# Altium PCB TCM.PcbDoc (part 8 of 10)
Units mm, origin at the board's own origin, x right, y up, seen from the top; angles counter-clockwise.
Board outline 280.25 x 366.95 mm, 6 copper layers (Top, L2, L3, L4, L5, Bot), stack 1.536 mm thick; 503 components, 762 nets, 3201 pads, 1645 vias.
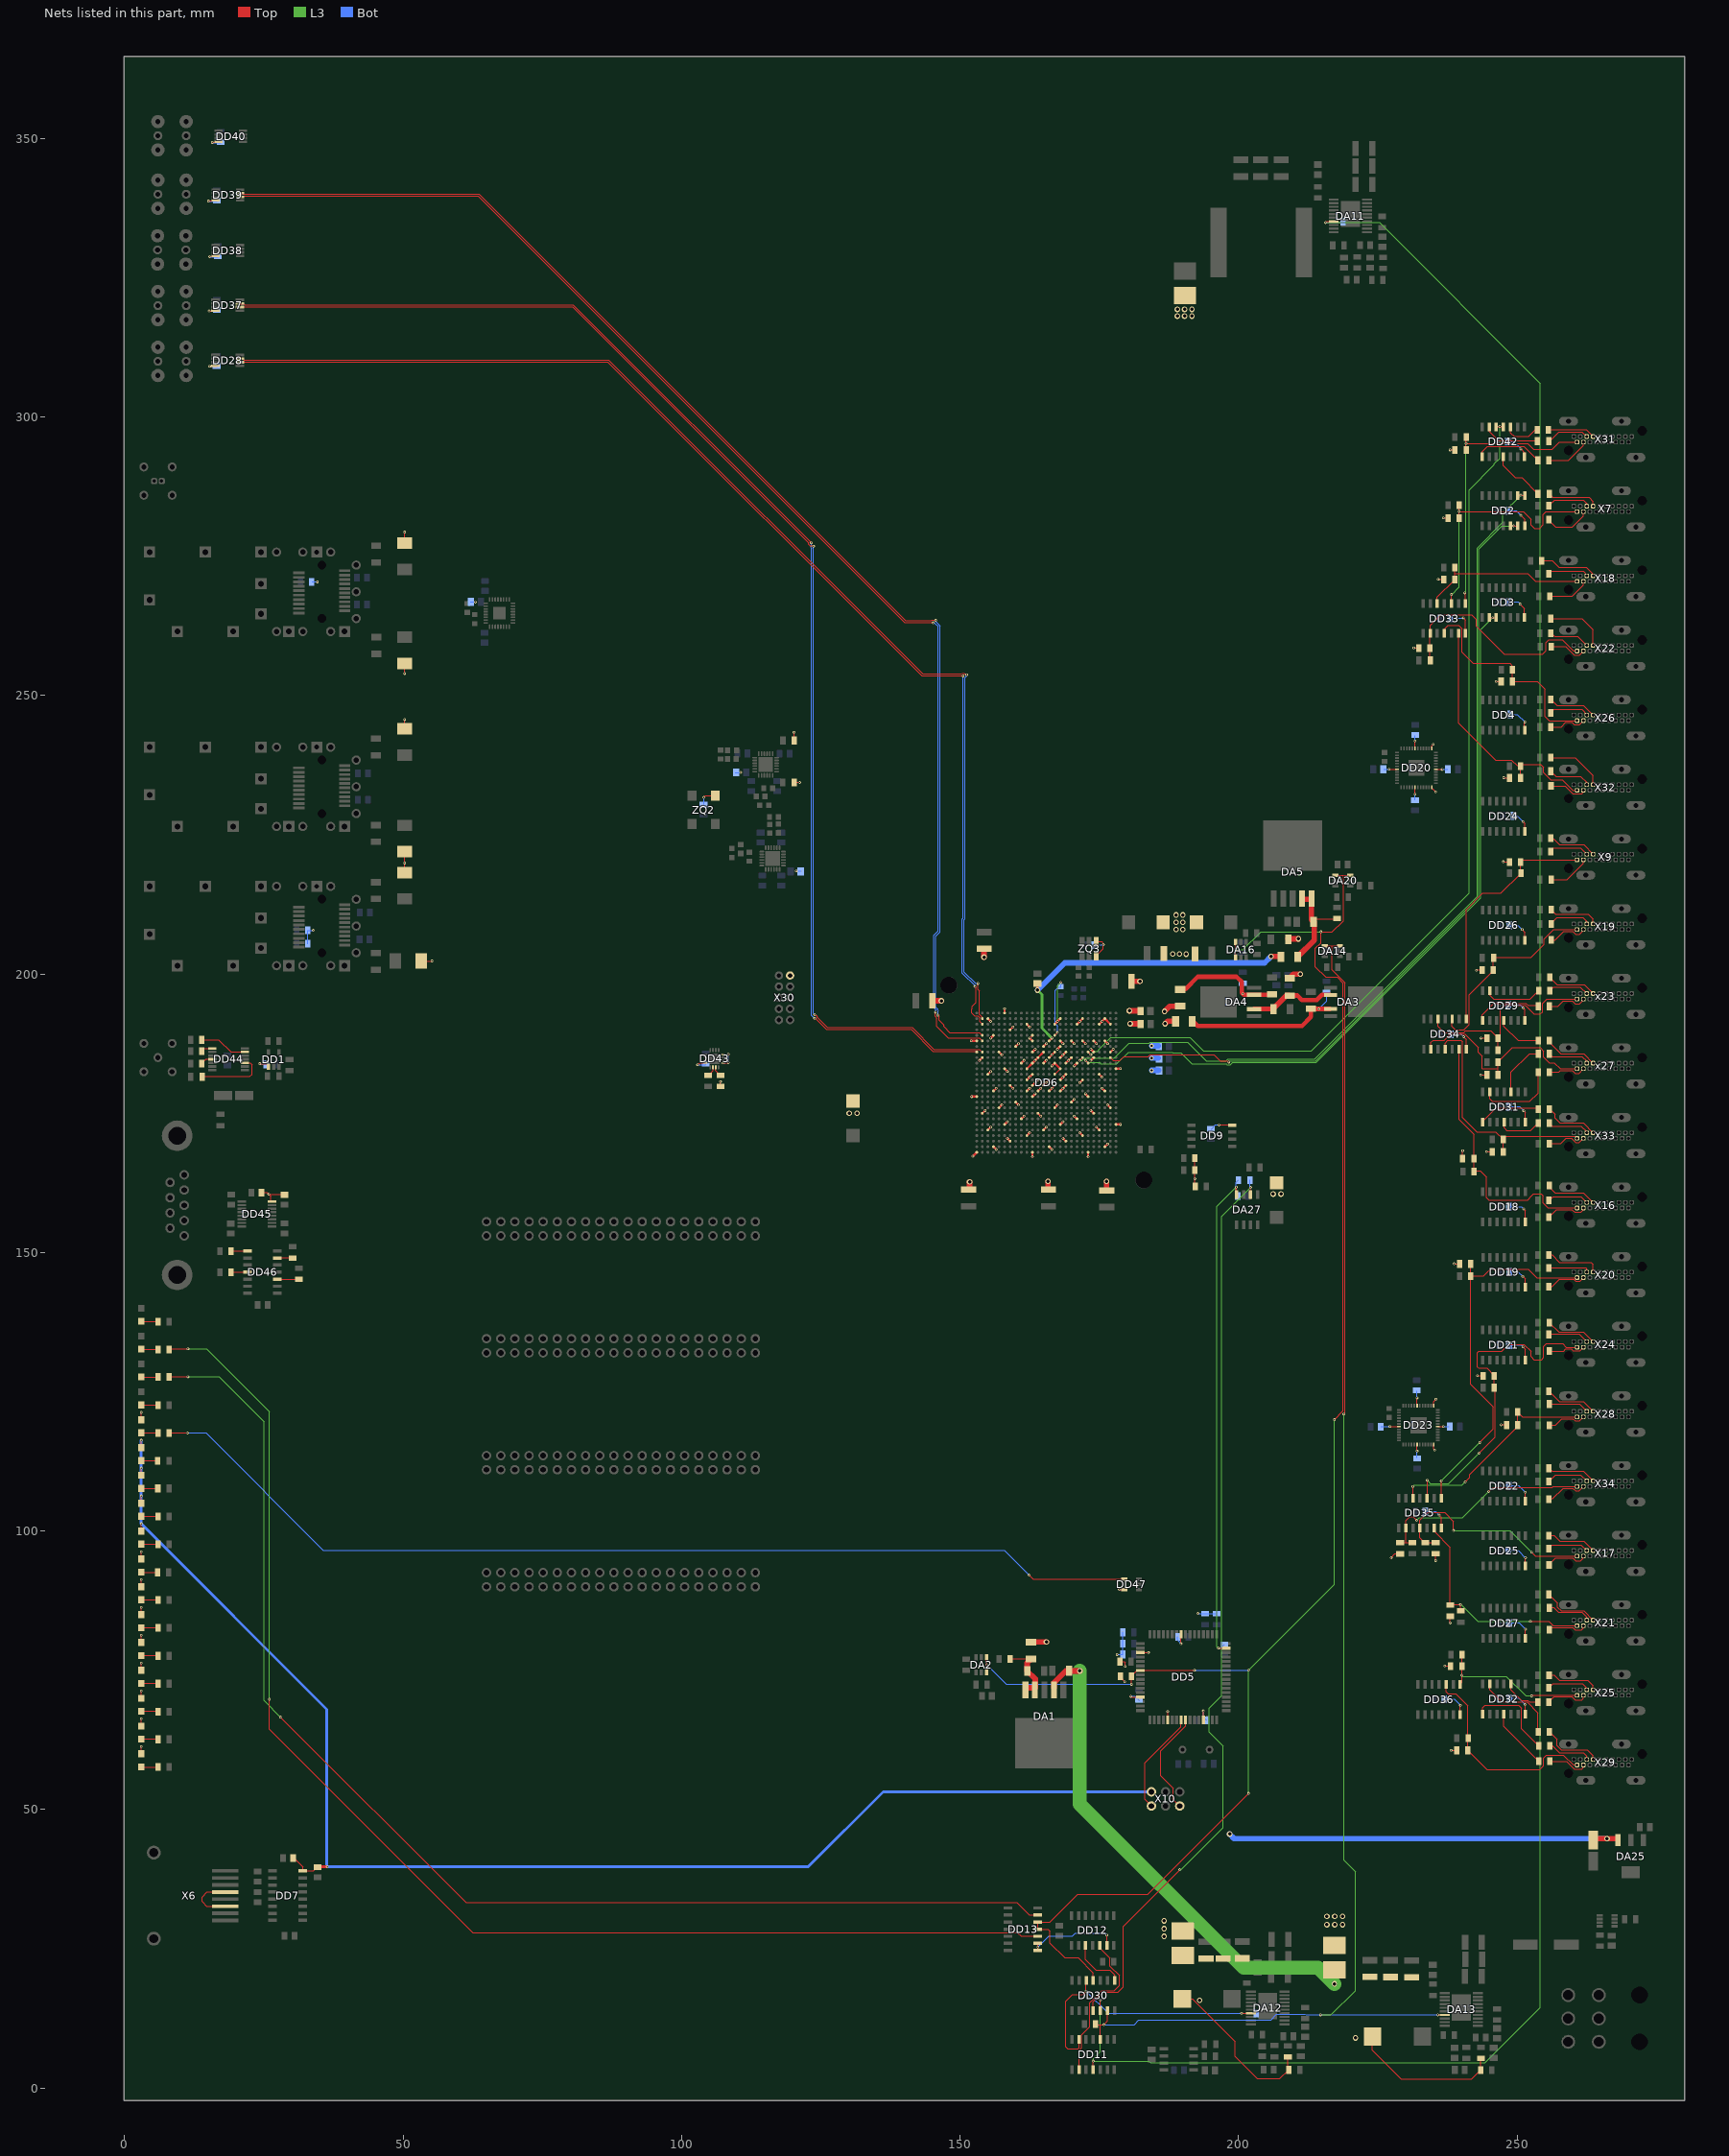
[diagram p12: the nets of this part, all layers, seen from the top]

## Via types
v1: diameter 0.48, hole 0.25, Top to Bot, tented both sides, 1515 vias
v2: diameter 1, hole 0.6, Top to Bot, tented both sides, 117 vias
v3: diameter 0.8, hole 0.4, Top to Bot, tented both sides, 8 vias
v4: diameter 5, hole 2.7, Top to Bot, tented both sides, 4 vias
v5: diameter 0.48/0/0/0/0/0.48 (per signal layer), hole 0.25, Top to Bot, tented both sides, 1 vias

## Nets (pads, with @x,y where several pads share a name; then routed paths per layer and width w, separated by ;. In a path a pad name is that pad's centre, name@x,y a point inside that pad or via, vN(x,y) a via of type N, cw(c..) or ccw(c..) an arc to the next point about the centre after c; other vN are vias at no path point) (continued)
NetDD29_6: DD29.6 R117.2 | length 10.6
  Top w0.15: DD29.6@245.134,197.076 245.134,196.181 245.845,195.469 252.333,195.469 R117.2@253.884,197.02
NetDD29_8: DD29.8 R119.2 | length 12.3
  Top w0.15: DD29.8@243.764,191.576 243.764,192.699 245.815,194.749 251.624,194.749 252.015,194.359 253.832,194.359 R119.2@253.832,194.227
NetDD29_11: DD29.11 R121.2 | length 8.2
  Top w0.15: DD29.11@247.627,191.576 247.627,190.631 250.194,188.064 R121.2@253.779,188.064
NetDD31_3: DD31.3 R123.2 | length 9.7
  Top w0.15: DD31.3@248.935,178.9 248.935,182.388 252.229,185.682 R123.2@253.794,185.682
NetDD31_6: DD31.6 R125.2 | length 14.5
  Top w0.15: DD31.6@245.125,178.9 245.125,177.594 245.576,177.142 252.274,177.142 253.794,178.662 R125.2@253.794,182.389
NetDD31_8: DD31.8 R195.2 | length 11.2
  Top w0.15: DD31.8@243.855,173.4 243.855,173.551 246.215,175.911 253.831,175.911 R195.2@253.831,175.814
NetDD31_11: DD31.11 R8.2 | length 7.9
  Top w0.15: DD31.11@247.665,173.4 247.665,172.409 248.137,171.936 252.478,171.936 R8.2@253.799,173.257
NetDD32_3: DD32.3 R120.2 | length 6.8
  Top w0.15: DD32.3@248.924,72.592 248.924,71.478 250.796,69.607 251.969,69.607 252.269,69.307 R120.2@253.726,69.307
NetDD32_6: DD32.6 R122.2 | length 14.9
  Top w0.15: DD32.6@245.114,72.592 245.114,71.495 247.302,69.307 251.845,69.307 253.768,67.383 R122.2@253.768,63.978
NetDD32_8: DD32.8 R124.2 | length 16.5
  Top w0.15: DD32.8@243.844,67.092 243.844,68.268 244.272,68.696 250.332,68.696 250.811,68.217 250.811,64.516 R124.2@253.84,61.487
NetDD32_11: DD32.11 R126.2 | length 11
  Top w0.15: DD32.11@247.654,67.092 247.654,64.895 R126.2@253.888,58.661
NetDD33_1: DD33.1 R128.2 R203.1 X31.18 | length 52.9
  Top w0.15: v1(240.589,268.438) 240.757,268.27 DD33.1@240.757,266.605 ; R203.1@240.855,294.094 v1(240.855,295.242) ; 240.865,295.567 240.865,296.407 240.855,296.397 240.855,295.567 v1(240.855,295.242) ; X31.18@260.782,295.5 257.635,295.5 256.318,294.183 252.991,294.183 251.931,295.242 v1(240.855,295.242)
  L3 w0.15: v1(240.589,268.438) 240.784,268.634 240.784,295.171 v1(240.855,295.242)
NetDD33_3: DD33.3 R130.1 R131.2 X7.18 | length 44.7
  Top w0.15: DD33.3@238.217,266.605 238.217,268.139 v1(238.224,268.146) ; R130.1@239.622,281.881 239.614,281.881 239.622,281.889 v1@239.622,283.032 ; R131.2@239.622,284.187 v1(239.622,283.056) v1@239.622,283.032 ; X7.18@260.782,283 255.21,283 254.7,282.49 254.7,280.649 254.046,279.995 253.136,279.995 252.502,280.629 252.502,281.672 251.141,283.032 v1@239.622,283.032
  L3 w0.15: v1(238.224,268.146) 238.277,268.146 239.622,269.491 v1(239.622,283.056)
NetDD33_5: DD33.5 R135.1 R136.2 X18.18 | length 30.2
  Top w0.15: DD33.5@235.677,266.605 235.677,267.666 R135.1@238.836,270.825 ; R136.2@238.836,272.982 238.836,271.92 ; R135.1@238.857,270.845 R135.1@238.836,270.825 ; X18.18@260.782,270.5 253.332,270.5 251.912,271.92 238.836,271.92 ; R135.1@238.836,270.825 238.836,271.92
NetDD33_9: DD33.9 R154.1 R155.2 X22.18 | length 39.8
  Top w0.15: R155.2@234.392,256.343 234.392,257.439 234.392,261.09 234.407,261.105 234.407,262.603 236.303,264.499 240.095,264.499 240.099,264.503 241.84,264.503 242.703,263.64 242.703,262.422 247.686,257.439 254.633,257.439 255.21,258.016 255.21,259.507 255.703,260 258.095,260 260.095,258 X22.18@260.782,258
NetDD33_11: DD33.11 R156.1 R157.2 X26.18 | length 39
  Top w0.15: DD33.11@236.947,261.105 236.947,261.89 237.661,262.604 239.518,262.604 240.104,262.019 240.104,257.797 242.146,255.755 248.717,255.755 249.152,255.319 249.152,254.655 249.186,254.621 249.186,252.536 253.678,252.536 255.031,251.183 255.031,246.251 255.781,245.5 X26.18@260.782,245.5
NetDD33_13: DD33.13 R158.1 R159.2 X32.18 | length 45.2
  Top w0.15: DD33.13@239.487,261.105 239.487,245.072 246.132,238.427 248.998,238.427 250.008,237.417 250.521,237.417 R159.2@250.612,237.327 ; R158.1@250.612,235.251 R159.2@250.612,237.327 ; X32.18@260.782,233 260.028,233 258.146,234.882 256.063,234.882 254.805,236.14 254.805,237.105 254.289,237.62 250.905,237.62 R159.2@250.612,237.327
NetDD34_1: DD34.1 R163.1 R164.2 X9.18 | length 44.4
  Top w0.15: DD34.1@240.899,191.998 240.899,211.545 243.854,214.5 247.082,214.5 250.691,218.109 250.648,218.152 250.648,220.165 250.983,220.5 X9.18@260.782,220.5
NetDD34_3: DD34.3 R165.1 R166.2 X19.18 | length 36.6
  Top w0.15: DD34.3@238.327,191.989 238.327,190.609 238.938,189.997 240.466,189.997 241.45,190.981 241.45,196.303 245.746,200.599 245.746,200.723 245.746,202.982 245.759,202.995 252.495,202.995 254.849,205.349 254.849,206.305 256.543,208 X19.18@260.782,208
NetDD34_5: DD34.5 R167.1 R168.2 x23.18 | length 37.5
  Top w0.15: DD34.5@235.796,191.97 235.796,190.599 236.936,189.46 237.809,189.46 237.857,189.508 240.455,189.508 240.737,189.79 245.294,189.79 R167.1@246.545,188.538 ; R168.2@246.5,186.373 246.59,186.463 246.59,188.493 R167.1@246.545,188.538 ; x23.18@260.782,195.5 255.357,195.5 254.557,194.7 254.557,193.192 254.176,192.811 253.024,192.811 251.476,194.359 247.689,194.359 246.996,193.666 246.996,188.99 R167.1@246.545,188.538
NetDD34_9: DD34.9 R169.1 R170.2 x27.18 | length 38
  Top w0.15: DD34.9@234.549,186.498 234.549,187.712 234.967,188.129 236.903,188.129 237.981,189.208 240.611,189.208 243.026,186.792 243.026,185.908 243.718,185.216 243.718,183.009 246.583,183.009 246.584,183.008 ; R169.1@246.578,181.903 246.584,181.909 246.584,183.008 ; x27.18@260.782,183 257.776,183 256.694,184.082 255.819,184.082 254.791,185.111 254.791,186.159 254.168,186.782 249.141,186.782 246.584,184.225 246.584,183.008
NetDD34_11: DD34.11 R171.1 R173.2 X33.18 | length 42.9
  Top w0.15: DD34.11@237.089,186.498 237.089,187.599 237.571,188.082 239.994,188.082 240.255,187.82 240.255,174.242 242.814,171.684 246.191,171.684 R173.2@247.538,170.337 ; R171.1@247.518,168.092 247.538,168.112 R173.2@247.538,170.337 ; X33.18@260.782,170.5 260.448,170.835 248.036,170.835 R173.2@247.538,170.337
NetDD34_13: DD34.13 R174.1 R175.2 X16.18 | length 48.5
  Top w0.15: DD34.13@239.629,186.75 239.629,186.498 239.629,173.876 242.248,171.257 242.248,166.931 242.248,164.62 R175.2@242.017,164.39 ; R175.2@242.5,164.704 243.396,164.704 244.52,163.579 244.52,159.846 244.961,159.405 251.948,159.405 252.263,159.72 252.263,159.844 252.919,160.5 254.325,160.5 254.654,160.171 254.654,158.918 255.571,158 X16.18@260.782,158
NetDD35_1: DD35.1 R176.1 R177.2 X20.18 | length 67.8
  Top w0.15: DD35.1@236.4,105.973 v1(236.4,109) ; R176.1@241.73,147.984 241.704,147.958 R177.2@241.704,145.819 ; v1(243.3,115.9) 245.765,118.365 245.765,122.263 241.704,126.325 R177.2@241.704,145.819 ; X20.18@260.782,145.5 253.532,145.5 252,147.032 245.196,147.032 243.983,145.819 R177.2@241.704,145.819
  L3 w0.15: v1(236.4,109) v1(243.3,115.9)
NetDD35_3: DD35.3 R178.1 R179.2 X24.18 | length 59.2
  Top w0.15: DD35.3@233.86,105.973 233.9,106.013 v1(233.9,109.1) ; v1(243.2,114) 246.065,116.865 246.065,125.646 245.918,125.793 245.918,127.896 245.898,127.916 244.567,129.247 243.105,129.247 242.886,129.466 242.886,132.054 243.105,132.272 247.288,132.272 248.544,133.528 251.246,133.528 252.502,132.272 252.502,131.317 253.051,130.768 254.4,130.768 254.808,131.176 254.808,133.184 255.248,133.624 258.203,133.624 258.827,133 X24.18@260.782,133
  L3 w0.15: v1(233.9,109.1) 234.465,108.535 237.735,108.535 v1(243.2,114)
NetDD35_5: DD35.5 R180.1 R181.2 X28.18 | length 39.2
  Top w0.15: v1(231.3,108) 231.3,105.978 DD35.5@231.305,105.973 ; v1(240.7,108.816) 241.492,109.609 241.492,110.143 250.125,118.775 250.125,119.065 250.14,119.08 250.14,121.364 251.004,120.5 X28.18@260.782,120.5
  L3 w0.15: v1(231.3,108) 231.535,108.235 240.119,108.235 v1(240.7,108.816)
NetDD35_9: DD35.9 R182.1 R183.2 X34.18 | length 40
  Top w0.15: R182.1@229,97.9 230.055,97.9 ; R183.2@231.2,97.9 230.055,97.9 ; v1(232,101.908) 231.343,102.565 230.707,102.565 230.05,101.908 230.05,100.473 230.05,97.905 230.055,97.9 ; v1(244.924,107.1) 245.613,107.788 256.294,107.788 256.506,108 X34.18@260.782,108
  L3 w0.15: v1(232,101.908) 232.491,102.398 240.223,102.398 v1(244.924,107.1)
NetDD35_11: DD35.11 R184.1 R185.2 X17.18 | length 39.3
  Top w0.15: R184.1@235.4,97.9 233.5,97.9 232.59,98.81 232.59,100.473 232.59,101.933 233.97,103.313 237.018,103.313 238.6,101.731 v1(238.6,100.1) ; v1(252.601,96.2) 253.301,95.5 X17.18@260.782,95.5
  L3 w0.15: v1(238.6,100.1) 248.701,100.1 v1(252.601,96.2)
NetDD35_13: DD35.13 R186.1 R187.2 X21.18 | length 40.5
  Top w0.15: DD35.13@235.13,100.473 235.13,99.97 238,97.1 238,86.7 238.1,86.8 v1(239.836,86.8) R187.2@239.836,85.65 ; v1(252.4,83.8) 255.687,83.8 256.487,83 X21.18@260.782,83
  L3 w0.15: v1(239.836,86.8) 239.95,86.8 242.95,83.8 v1(252.4,83.8)
NetDD36_1: DD36.1 R188.1 R189.2 X25.18 | length 27.8
  Top w0.15: DD36.1@239.94,72.432 239.82,72.552 DD36.1@240.1,72.831 ; v1(252.6,70.4) 252.768,70.568 260.714,70.568 X25.18@260.782,70.5
  Top w0.2: DD36.1@240.1,72.831 v1(240.1,74.1) 240.1,75.8 R189.2@240.1,77.8
  L3 w0.15: v1(240.1,74.1) 240.275,73.925 248.075,73.925 251.6,70.4 v1(252.6,70.4)
NetDD36_3: DD36.3 R190.1 R191.2 X29.18 | length 38
  Top w0.15: DD36.3@237.28,72.552 237.28,71.118 237.592,70.807 239.034,70.807 241.195,68.646 R191.2@241.195,62.836 ; R191.2@241.195,62.835 241.195,60.606 244.62,57.181 254.077,57.181 254.762,57.866 254.762,59.209 255.316,59.762 258.319,59.762 260.082,58 X29.18@260.782,58
NetDD42_3: DD42.3 R129.2 | length 6.8
  Top w0.15: DD42.3@248.812,298.297 248.812,297.163 249.475,296.5 252.096,296.5 253.347,297.751 R129.2@253.653,297.751
NetDD42_6: DD42.6 R196.2 | length 10.3
  Top w0.15: DD42.6@245.002,298.297 245.002,297.386 246.651,295.737 R196.2@253.695,295.737
NetDD42_8: DD42.8 R9.2 | length 12.4
  Top w0.15: DD42.8@243.732,292.797 243.732,293.812 244.655,294.735 251.23,294.735 R9.2@253.718,292.247
NetDD42_11: DD42.11 R11.2 | length 9.8
  Top w0.15: DD42.11@247.542,292.797 247.542,291.303 249.707,289.138 250.851,289.138 R11.2@253.777,286.212
NetDD43_1: DD43.1 DD43.4 | length 3.5
  Top w0.15: DD43.1@107.4,184.05 108.351,184.05 v1(108.4,184.098) ; DD43.4@107.4,185.55 108.35,185.55 v1(108.4,185.6)
  Bot w0.15: v1(108.4,184.098) v1(108.4,185.6)
NetDD43_14: DD43.14 R32.2 | length 1.9
  Top w0.15: R32.2@104.8,181.8 105.65,182.65 DD43.14@105.65,183.3
NetDD43_15: DD43.15 R147.2 | length 1.9
  Top w0.15: DD43.15@106.15,183.3 106.15,182.65 R147.2@107,181.8
NetDD44_3: DD44.3 R28.1 | length 12.5
  Top w0.15: R28.1@13.9,181.6 22.5,181.6 22.9,182 22.9,183.7 22.55,184.05 DD44.3@21.4,184.05
NetDD44_6: DD44.6 R202.1 | length 8.4
  Top w0.15: R202.1@13.9,188.2 16.9,188.2 19.1,186 DD44.6@21.4,186
NetDD44_8: DD44.8 R7.1 | length 2.2
  Top w0.15: R7.1@13.9,186.2 14.35,186.65 DD44.8@15.9,186.65
NetDD44_11: DD44.11 R192.1 | length 2.3
  Top w0.15: R192.1@13.9,183.95 14.65,184.7 DD44.11@15.9,184.7
NetDD46_3: DD46.3 R15.1 | length 3.8
  Top w0.15: DD46.3@27.5,145.23 31.27,145.23 R15.1@31.3,145.2
NetDD46_6: DD46.6 R16.1 | length 2.7
  Top w0.15: DD46.6@27.5,149.04 R16.1@30.2,149.04
NetDD46_8: DD46.8 R18.1 | length 2.9
  Top w0.15: R18.1@19.1,150.31 DD46.8@22,150.31
NetDD46_11: DD46.11 R141.1 | length 2.9
  Top w0.15: R141.1@19.13,146.5 DD46.11@22,146.5
NetDD47_4: DD47.4 R201.1 | length 182.5
  Top w0.15: R201.1@8,117.65 11.25,117.65 v1(11.3,117.6) ; v1(162.4,92.1) 163.1,91.4 DD47.4@179.65,91.4
  Bot w0.15: v1(11.3,117.6) 14.6,117.6 35.65,96.55 157.95,96.55 v1(162.4,92.1)
NetR8_1: R8.1 X33.15 | length 7.6
  Top w0.15: R8.1@255.799,173.257 256.342,172.715 261.506,172.715 262.515,171.706 X33.15@262.515,171.5
NetR9_1: R9.1 X31.16 | length 8
  Top w0.15: R9.1@255.718,292.247 259.287,292.247 261.938,294.898 X31.16@261.938,295.437 ; X31.16@261.938,295.5 X31.16@261.938,295.437 ; X31.16@262,295.5 X31.16@261.938,295.437
NetR10_1: R10.1 X33.16 | length 7.1
  Top w0.15: R10.1@255.822,169.578 257.876,169.578 258.791,170.493 259.721,170.493 260.5,169.714 261.152,169.714 X33.16@261.938,170.5
NetR11_1: R11.1 X7.13 | length 9.3
  Top w0.15: R11.1@255.777,286.212 256.405,285.584 262.908,285.584 263.67,284.822 X7.13@263.67,284
NetR12_1: R12.1 X16.13 | length 9
  Top w0.15: R12.1@255.794,161.75 256.823,160.721 261.949,160.721 X16.13@263.67,159
NetR13_1: R13.1 X7.15 | length 7.9
  Top w0.15: R13.1@255.752,284.106 256.768,285.122 261.878,285.122 262.515,284.485 X7.15@262.515,284
NetR17_1: R17.1 X16.15 | length 7.4
  Top w0.15: R17.1@255.831,159.4 256.476,160.045 261.47,160.045 X16.15@262.515,159
NetR19_1: R19.1 X7.16 | length 8.4
  Top w0.15: R19.1@255.739,281.556 255.739,281.459 256.948,280.25 259.942,280.25 261.938,282.245 X7.16@261.938,283
NetR25_1: R25.1 X16.16 | length 7.4
  Top w0.15: R25.1@255.766,156.38 257.061,157.675 259.892,157.675 260.34,157.227 261.473,157.227 261.938,157.691 X16.16@261.938,158
NetR29_1: R29.1 X18.13 | length 10.5
  Top w0.15: R29.1@254.462,274.234 256.308,274.234 257.541,273.001 262.461,273.001 263.67,271.792 X18.13@263.67,271.5
NetR31_1: R31.1 X20.13 | length 10
  Top w0.15: R31.1@255.753,149.578 256.292,149.578 257.63,148.24 263.277,148.24 263.67,147.848 X20.13@263.67,146.5
NetR33_1: R33.1 X18.15 | length 7.4
  Top w0.15: R33.1@255.737,271.883 256.156,272.301 261.895,272.301 262.515,271.681 X18.15@262.515,271.5
NetR34_1: R34.1 X20.15 | length 7.5
  Top w0.15: R34.1@255.737,147.271 262.35,147.271 262.515,147.106 X20.15@262.515,146.5
NetR35_1: R35.1 X18.16 | length 7.6
  Top w0.15: R35.1@255.863,267.842 255.881,267.825 259.896,267.825 261.938,269.866 X18.16@261.938,270.5
NetR37_1: R37.1 X20.16 | length 7.1
  Top w0.15: R37.1@255.722,143.882 256.301,143.882 257.595,145.175 260.169,145.175 260.419,144.925 260.45,144.925 260.5,144.875 261.312,144.875 X20.16@261.938,145.5
NetR38_1: R38.1 X22.13 | length 11.3
  Top w0.15: R38.1@256.017,263.809 261.668,263.809 263.67,261.807 X22.13@263.67,259
NetR39_1: R39.1 X24.13 | length 9.4
  Top w0.15: R39.1@255.741,137.47 257.496,135.716 261.954,135.716 X24.13@263.67,134
NetR40_1: R40.1 X22.15 | length 7.3
  Top w0.15: R40.1@256.099,261.244 256.73,260.613 260.902,260.613 X22.15@262.515,259
NetR41_1: R41.1 X24.15 | length 7.4
  Top w0.15: R41.1@255.72,135.361 261.154,135.361 X24.15@262.515,134
NetR42_1: R42.1 X22.16 | length 6.8
  Top w0.15: R42.1@256.143,258.789 258.728,258.789 260.281,257.236 261.242,257.236 261.938,257.932 X22.16@261.938,258
NetR43_1: R43.1 X24.16 | length 6.7
  Top w0.15: R43.1@255.768,132.304 258.392,132.304 258.763,132.675 259.737,132.675 260.037,132.375 261.312,132.375 X24.16@261.938,133
NetR44_1: R44.1 X26.13 | length 8.8
  Top w0.15: R44.1@256.073,249.308 257.162,248.22 261.95,248.22 X26.13@263.67,246.5
NetR45_1: R45.1 X28.13 | length 9.4
  Top w0.15: R45.1@255.761,125.088 257.584,123.266 261.904,123.266 X28.13@263.67,121.5
NetR46_1: R46.1 X26.15 | length 7.1
  Top w0.15: R46.1@256.108,246.912 256.687,247.491 261.643,247.491 262.515,246.618 X26.15@262.515,246.5
NetR47_1: R47.1 X28.15 | length 7.3
  Top w0.15: R47.1@255.78,122.829 261.186,122.829 X28.15@262.515,121.5
NetR49_1: R49.1 X26.16 | length 6.6
  Top w0.15: R49.1@256.09,244.369 257.958,244.369 258.763,245.175 259.86,245.175 260.243,244.791 261.229,244.791 X26.16@261.938,245.5
NetR50_1: R50.1 X28.16 | length 7.1
  Top w0.15: R50.1@255.772,118.98 256.88,118.98 258.075,120.175 260.025,120.175 260.447,119.753 261.19,119.753 X28.16@261.938,120.5
NetR51_1: R51.1 X32.13 | length 10.6
  Top w0.15: R51.1@256.08,238.867 260.453,238.867 263.67,235.65 X32.13@263.67,234
NetR54_1: R54.1 X34.13 | length 8.9
  Top w0.15: R54.1@255.754,111.314 256.35,110.718 261.952,110.718 X34.13@263.67,109
NetR57_1: R57.1 X32.15 | length 7.7
  Top w0.15: R57.1@256.08,236.429 257.03,235.479 261.434,235.479 262.515,234.398 X32.15@262.515,234
NetR59_1: R59.1 X34.15 | length 7.8
  Top w0.15: R59.1@255.706,108.888 256.905,110.088 261.427,110.088 X34.15@262.515,109
NetR60_1: R60.1 X32.16 | length 6.9
  Top w0.15: R60.1@256.094,233.782 258.63,233.782 260.037,232.375 261.627,232.375 261.938,232.685 X32.16@261.938,233
NetR61_1: R61.1 X34.16 | length 7.5
  Top w0.15: R61.1@255.706,105.8 256.42,105.8 258.295,107.675 260.03,107.675 260.505,107.2 261.137,107.2 X34.16@261.938,108
NetR62_1: R62.1 X9.13 | length 8.7
  Top w0.15: R62.1@256.108,224.25 256.544,224.25 257.596,223.198 261.972,223.198 X9.13@263.67,221.5
NetR63_1: R63.1 X17.13 | length 9.1
  Top w0.15: R63.1@255.706,99.213 256.643,99.213 257.656,98.2 261.97,98.2 X17.13@263.67,96.5
NetR64_1: R64.1 X9.15 | length 7.2
  Top w0.15: R64.1@255.997,222.022 256.609,222.634 261.381,222.634 X9.15@262.515,221.5
NetR65_1: R65.1 X17.15 | length 7.5
  Top w0.15: R65.1@255.706,96.863 256.343,97.5 261.515,97.5 X17.15@262.515,96.5
NetR67_1: R67.1 X9.16 | length 7.6
  Top w0.15: R67.1@256.123,216.959 258.991,216.959 261.938,219.905 X9.16@261.938,220.5
NetR68_1: R68.1 X17.16 | length 7.4
  Top w0.15: R68.1@255.754,94 256.929,95.175 260.025,95.175 260.523,94.677 261.412,94.677 261.938,95.203 X17.16@261.938,95.5
NetR69_1: R69.1 X19.13 | length 9.1
  Top w0.15: R69.1@256.123,211.545 256.903,210.765 262.762,210.765 263.67,209.857 X19.13@263.67,209
NetR70_1: R70.1 X21.13 | length 10.3
  Top w0.15: R70.1@255.759,88.648 257.3,87.107 257.3,86.318 257.918,85.7 261.97,85.7 X21.13@263.67,84
NetR71_1: R71.1 X19.15 | length 7.6
  Top w0.15: R71.1@256.054,209 257.177,210.122 261.815,210.122 262.515,209.422 X19.15@262.515,209
NetR72_1: R72.1 X21.15 | length 8
  Top w0.15: R72.1@255.789,86.253 256.606,86.253 257.454,85.405 261.678,85.405 262.515,84.569 X21.15@262.515,84
NetR81_1: R81.1 X19.16 | length 7
  Top w0.15: R81.1@256.124,206.12 256.849,206.12 258.404,207.675 260.036,207.675 260.567,207.144 261.241,207.144 X19.16@261.994,207.896
NetR82_1: R82.1 X21.16 | length 7
  Top w0.15: R82.1@255.768,82.319 256.124,82.675 260.022,82.675 260.457,82.24 261.562,82.24 261.938,82.615 X21.16@261.938,83
NetR113_2: R113.2 VD4.2 | length 3
  Top w0.15: VD4.2@3,132.65 R113.2@5.977,132.65
NetR114_2: R114.2 VD6.2 | length 3
  Top w0.15: VD6.2@3,137.65 R114.2@6,137.65
NetR115_1: R115.1 x23.13 | length 9
  Top w0.15: R115.1@255.888,199.38 257.156,198.111 262.058,198.111 x23.13@263.67,196.5
NetR116_1: R116.1 X25.13 | length 9.5
  Top w0.15: R116.1@255.765,74.132 256.689,74.132 257.596,73.225 262.734,73.225 263.67,72.289 X25.13@263.67,71.5
NetR117_1: R117.1 x23.15 | length 7.4
  Top w0.15: R117.1@255.902,196.986 256.614,197.698 261.317,197.698 x23.15@262.515,196.5
NetR118_1: R118.1 X25.15 | length 7.7
  Top w0.15: R118.1@255.739,71.919 256.451,72.631 261.708,72.631 262.515,71.824 X25.15@262.515,71.5
NetR119_1: R119.1 x23.16 | length 7.2
  Top w0.15: R119.1@255.832,194.227 257.375,194.227 258.323,195.175 259.921,195.175 260.462,194.635 261.193,194.635 x23.16@262.058,195.5
NetR120_1: R120.1 X25.16 | length 7.5
  Top w0.15: R120.1@255.726,69.307 256.687,70.268 259.854,70.268 260.449,69.673 261.636,69.673 261.938,69.975 X25.16@261.938,70.5
NetR121_1: R121.1 x27.13 | length 9.7
  Top w0.15: R121.1@255.779,188.064 255.779,187.794 257.87,185.703 261.967,185.703 x27.13@263.67,184
NetR122_1: R122.1 X29.13 | length 11
  Top w0.15: R122.1@255.768,63.978 257.182,62.565 257.182,61.468 257.953,60.697 262.642,60.697 263.67,59.669 X29.13@263.67,59
NetR123_1: R123.1 x27.15 | length 7.6
  Top w0.15: R123.1@255.794,185.682 256.291,185.185 261.69,185.185 262.515,184.36 x27.15@262.515,184
NetR124_1: R124.1 X29.15 | length 8.1
  Top w0.15: R124.1@255.84,61.487 256.343,61.487 257.613,60.218 261.924,60.218 262.515,59.626 X29.15@262.515,59
NetR125_1: R125.1 x27.16 | length 6.8
  Top w0.15: R125.1@255.794,182.389 257.521,182.389 257.807,182.675 259.93,182.675 260.426,182.179 261.117,182.179 x27.16@261.938,183
NetR126_1: R126.1 X29.16 | length 7.2
  Top w0.15: R126.1@255.888,58.661 258.939,58.661 260.3,57.3 261.665,57.3 261.938,57.573 X29.16@261.938,58
NetR129_1: R129.1 X31.13 | length 8.5
  Top w0.15: R129.1@255.695,297.751 262.419,297.751 X31.13@263.67,296.5
NetR142_2: R142.2 VD1.1 | length 3
  Top w0.15: VD1.1@3.1,92.6 6,92.6 R142.2@6.1,92.6
NetR143_2: R143.2 VD2.1 | length 3
  Top w0.15: VD2.1@3,87.65 R143.2@6,87.65
NetR144_2: R144.2 VD3.1 | length 3
  Top w0.15: VD3.1@3,82.65 R144.2@6,82.65